# Altium PCB pcb.PcbDoc (part 1 of 2)
Units mm, origin at the board's own origin, x right, y up, seen from the top; angles counter-clockwise.
Board outline 285.25 x 94.86 mm, 2 copper layers (Component Side, Bottom Layer), stack 1.571 mm thick; 160 components, 104 nets, 876 pads, 83 vias.
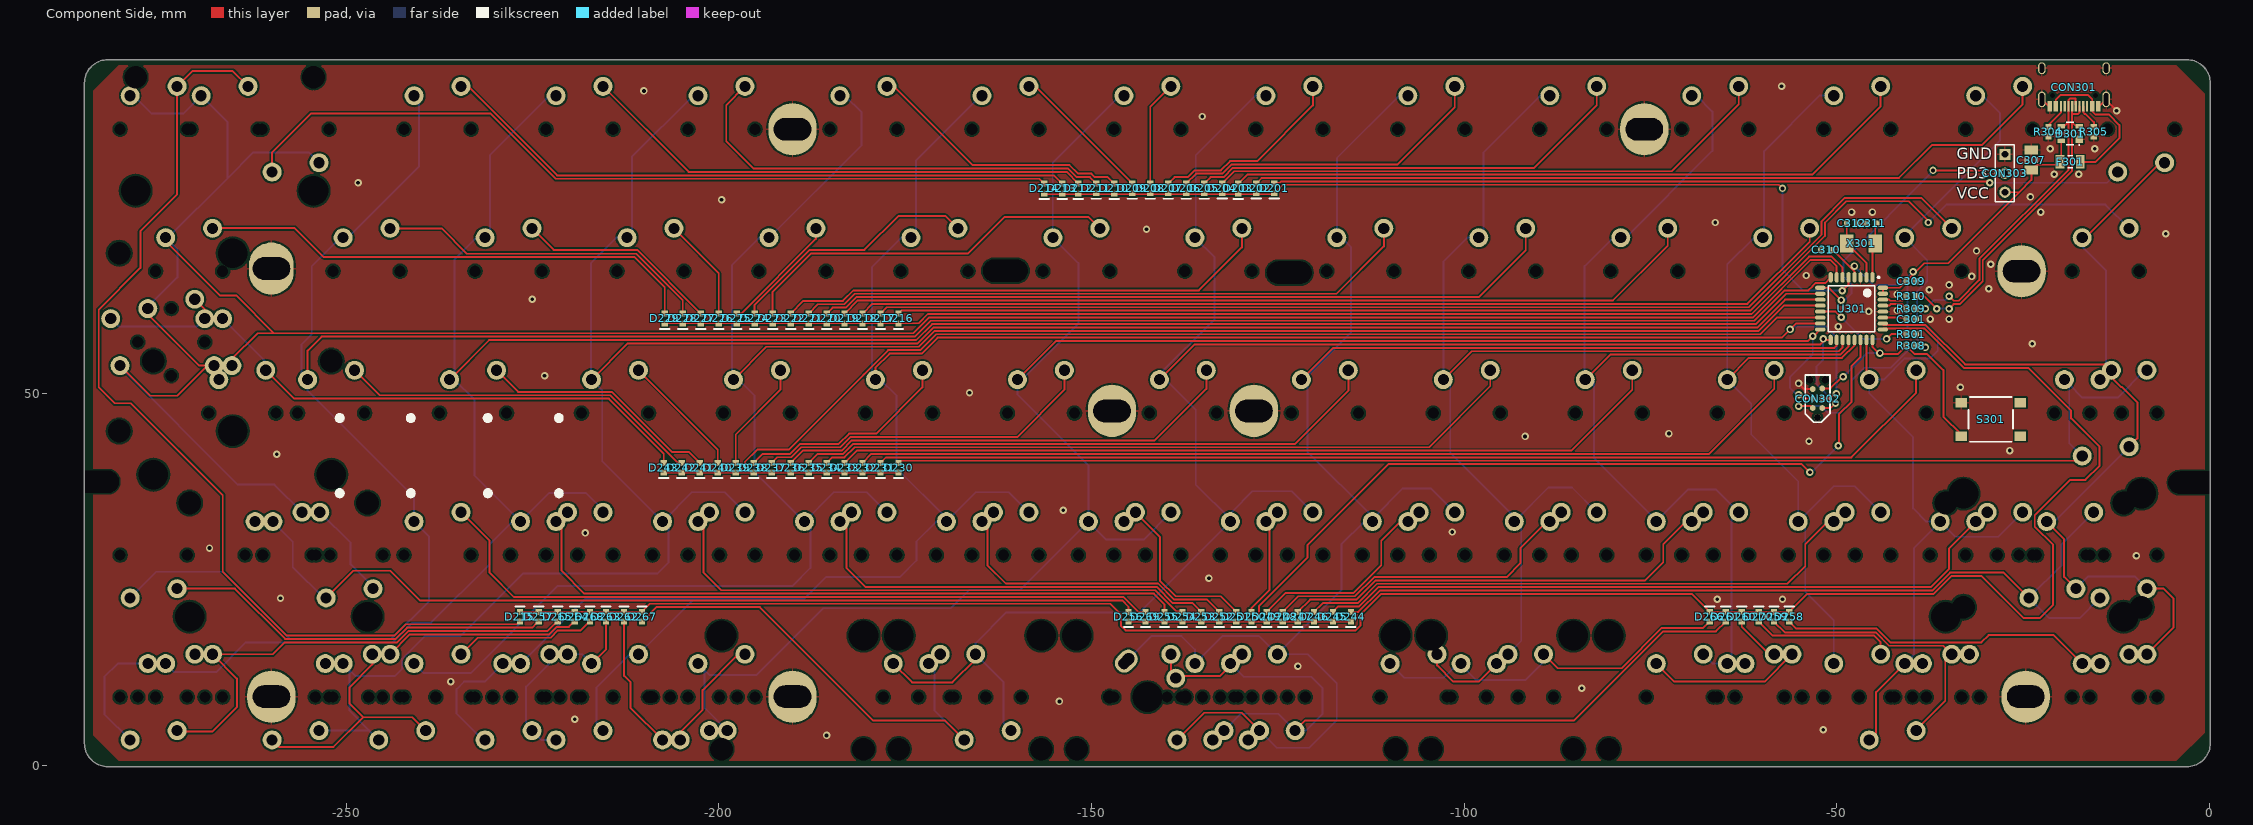
[diagram p0: Component Side view]
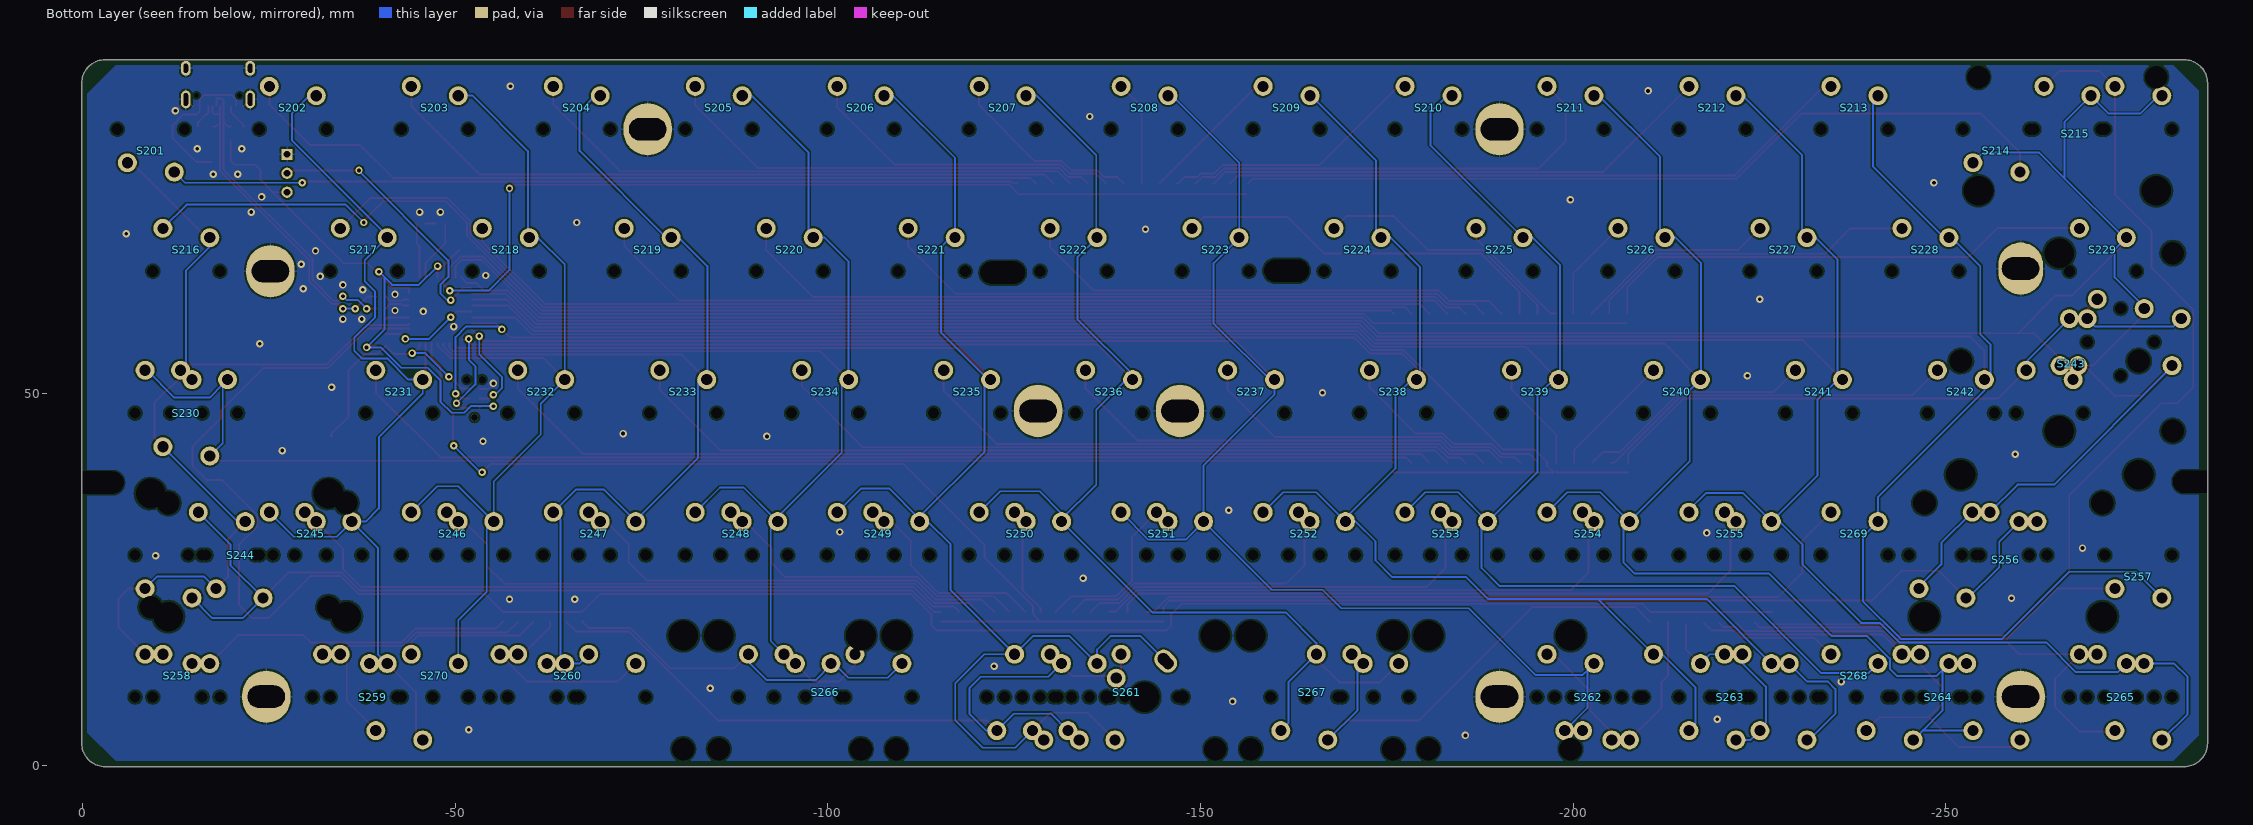
[diagram p1: Bottom Layer view, seen from below]
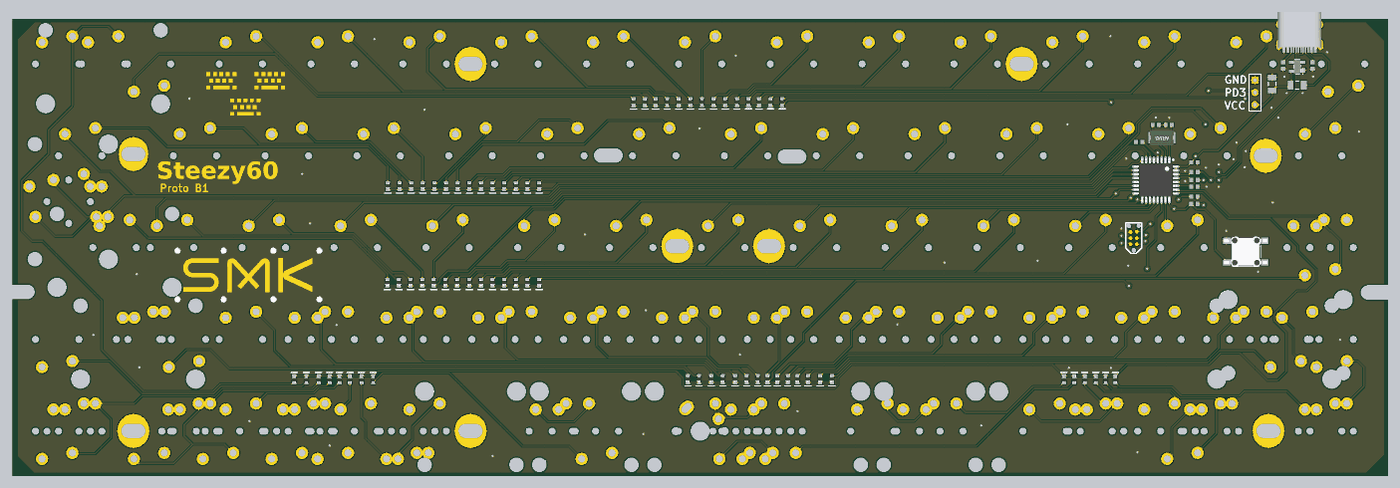
[diagram p3: 3D render of the assembled board from above, using the file's embedded part models]

## Layer stack, top to bottom
Top Solder: solder mask 0.0102, Solder Resist, Dk 3.5
Component Side: signal copper 0.0356
Dielectric 1: core 1.5, FR-4, Dk 4.2
Bottom Layer: signal copper 0.0356
Solder Side: solder mask 0.0102, Solder Resist, Dk 3.5

## Board outline
-285.127,3.01 -285.127,91.615 cw(c-282,91.615) -282,94.742 cw(c-282,94.615) -281.999,94.742 -195.49,94.742 -198.628,94.742 ccw(c-198.628,94.615) -198.629,94.742 -198.628,94.742 -3,94.742 cw(c-3,91.615) 0.127,91.615 0.127,3.01 cw(c-3,3.01) -3,-0.117 cw(c-3,0.01) -3.035,-0.112 -281.965,-0.112 cw(c-282,0.01) -282,-0.117 cw(c-282,3.01)

## Design rules (kind name [scope] priority, off if disabled: settings)
Clearance [All] p1: gap=0.2 ignorepadtopadclearanceinfootprint=FALSE except(0: Arc-Hole Track-Hole SMDPad-Hole THPad-Hole Via-Hole Fill-Hole Poly-Hole Region-Hole Text-Hole; 0.254: THPad-THPad THPad-Via THPad-Fill THPad-Poly THPad-Region THPad-Text Via-Via Via-Fill Via-Poly Via-Region Via-Text Fill-Fill Fill-Poly Fill-Region Fill-Text Poly-Poly Poly-Region Poly-Text Region-Region Region-Text Text-Text)
ComponentClearance [InComponent('No Component') And OnLayer('Component Side')] p1: gap=0.254 collisioncheckmode=3 verticalgap=0.254 showdistances=FALSE
DiffPairsRouting DiffPairsRouting_USB [InDifferentialPairClass('All Differential Pairs')] p1: maxlimit=0.254 minlimit=0.203 mostfreqgap=0.203 toplayer_minwidth=0.152 toplayer_maxwidth=0.381 toplayer_prefwidth=0.152 bottomlayer_minwidth=0.152 bottomlayer_maxwidth=0.381 bottomlayer_prefwidth=0.152 maxuncoupledlength=12.7
DiffPairsRouting [All] p2: maxlimit=0.254 minlimit=0.254 mostfreqgap=0.254 toplayer_minwidth=0.381 toplayer_maxwidth=0.381 toplayer_prefwidth=0.381 bottomlayer_minwidth=0.381 bottomlayer_maxwidth=0.381 bottomlayer_prefwidth=0.381 maxuncoupledlength=12.7
HoleSize [All] p1: absolutevalues=TRUE maxlimit=20 minlimit=0.025 maxpercent=80.000 minpercent=20.000
MatchedLengths MatchedLengths_USB_DiffPairs_1 [All] p1: tolerance=0.127 checknetsindiffpair=TRUE checkdiffpairvsdiffpair=FALSE checkxsignals=FALSE checkothers=FALSE
MatchedLengths MatchedLengths_USB_DiffPairs [All] p2: tolerance=0.127 checknetsindiffpair=TRUE checkdiffpairvsdiffpair=FALSE checkxsignals=FALSE checkothers=FALSE
PolygonConnect PolygonConnect_1 [All vs IsVia] p1: connectstyle=Direct reliefconductorwidth=0.254 reliefentries=4 polygonreliefangle="90 Angle" airgapwidth=0.254
PolygonConnect [All] p2: connectstyle=Relief reliefconductorwidth=0.254 reliefentries=4 polygonreliefangle="90 Angle" airgapwidth=0.254
RoutingVias [All] p1: holewidth=0.711 width=1.27 viastyle="Through Hole" minholewidth=0.711 minwidth=1.27 maxholewidth=0.711 maxwidth=1.27
SolderMaskExpansion [All] p1: expansion=0.102
Width [All] p1: maxlimit=0.254 minlimit=0.203 preferedwidth=0.254
27 further rules are at their usual default settings.

## Classes and differential pairs
component class Designator: C201 C202 C203 C204 C205 C206 D201 D202 D203 D204 D205 D206 D207 D208 D209 D210 D211 D212 D213 D214 D215 D216 D217 D218 D219 D220 D221 D222 D223 D224 D225 D226 D227 D228 D229 D230 D231 D232 D233 D234 D235 D236 D237 D238 D239 D240 D241 D242 D243 D244 D245 D246 D247 D248 D249 D250 D251 D252 D253 D254 D255 D256 D257 D258 D259 D260 D261 D262 D263 D264 D265 D266 D267 D268 D269 D270 S201 S202 S203 S204 S205 S206 S207 S208 S209 S210 S211 S212 S213 S214 S215 S216 S217 S218 S219 S220 S221 S222 S223 S224 S225 S226 S227 S228 S229 S230 S231 S232 S233 S234 S235 S236 S237 S238 S239 S240 S241 S242 S243 S244 S245 S246 S247 S248 S249 S250 S251 S252 S253 S254 S255 S256 S257 S258 S259 S260 S261 S262 S263 S264 S265 S266 S267 S268 S269 S270
differential pair D: +D_P -D_N
differential pair D_PRE: +D_PRE_P -D_PRE_N

## Components (designator, comment, footprint, x,y, rotation, side; value= is the part's Value field where it differs from the comment)
C301 "" C0603[1608] -40.005,59.944 r180 top value=1uF
C307 "" C1206[3216] -23.876,81.28 r270 top value=4,7uF
C309 "" C0603[1608] -40.005,65.024 r180 top value=0.1uF
C310 "" C0603[1608] -51.435,69.215 r0 top value=0.1uF
C311 "" C0603[1608] -45.324,72.771 r0 top
C312 "" C0603[1608] -48.006,72.771 r180 top
CON301 "TYPE-C-31-M-12" TYPE-C-31-M-12 -18.161,88.5 r180 top locked
CON302 "TC2030-IDC" TC2030-IDC-NL -52.578,46.736 r90 top
CON303 "Header 3" HDR1X3 -27.432,82.042 r270 top
D201 "Diode" D0603[1608] -125.476,77.492 r270 top
D202 "Diode" D0603[1608] -127.889,77.492 r270 top
D203 "Diode" D0603[1608] -130.302,77.47 r270 top
D204 "Diode" D0603[1608] -132.461,77.492 r270 top
D205 "Diode" D0603[1608] -134.874,77.485 r270 top
D206 "Diode" D0603[1608] -137.287,77.485 r270 top
D207 "Diode" D0603[1608] -139.7,77.485 r270 top
D208 "Diode" D0603[1608] -142.113,77.485 r270 top
D209 "Diode" D0603[1608] -144.526,77.485 r270 top
D210 "Diode" D0603[1608] -146.939,77.47 r270 top
D211 "Diode" D0603[1608] -149.352,77.485 r270 top
D212 "Diode" D0603[1608] -151.765,77.47 r270 top
D213 "Diode" D0603[1608] -153.924,77.47 r270 top
D214 "Diode" D0603[1608] -156.337,77.47 r270 top
D215 "Diode" D0603[1608] -226.695,20 r90 top
D216 "Diode" D0603[1608] -175.895,60.024 r270 top
D217 "Diode" D0603[1608] -178.308,60.024 r270 top
D218 "Diode" D0603[1608] -180.721,60.024 r270 top
D219 "Diode" D0603[1608] -183.134,60.024 r270 top
D220 "Diode" D0603[1608] -185.547,60.024 r270 top
D221 "Diode" D0603[1608] -187.96,60.024 r270 top
D222 "Diode" D0603[1608] -190.373,60.024 r270 top
D223 "Diode" D0603[1608] -192.786,60.024 r270 top
D224 "Diode" D0603[1608] -195.199,60.024 r270 top
D225 "Diode" D0603[1608] -197.612,60.024 r270 top
D226 "Diode" D0603[1608] -200.025,60.024 r270 top
D227 "Diode" D0603[1608] -202.438,60.024 r270 top
D228 "Diode" D0603[1608] -204.851,60.024 r270 top
D229 "Diode" D0603[1608] -207.264,60.024 r270 top
D230 "Diode" D0603[1608] -175.895,40.005 r270 top
D231 "Diode" D0603[1608] -178.308,40 r270 top
D232 "Diode" D0603[1608] -180.721,40 r270 top
D233 "Diode" D0603[1608] -183.134,40 r270 top
D234 "Diode" D0603[1608] -185.547,40 r270 top
D235 "Diode" D0603[1608] -187.96,40 r270 top
D236 "Diode" D0603[1608] -190.373,40 r270 top
D237 "Diode" D0603[1608] -192.913,40 r270 top
D238 "Diode" D0603[1608] -195.326,40 r270 top
D239 "Diode" D0603[1608] -197.739,40 r270 top
D240 "Diode" D0603[1608] -200.152,40 r270 top
D241 "Diode" D0603[1608] -202.565,40 r270 top
D242 "Diode" D0603[1608] -204.978,40.005 r270 top
D243 "Diode" D0603[1608] -207.391,40 r270 top
D244 "Diode" D0603[1608] -115.189,20 r270 top
D245 "Diode" D0603[1608] -117.602,20 r270 top
D246 "Diode" D0603[1608] -120.142,20 r270 top
D247 "Diode" D0603[1608] -122.301,20 r270 top
D248 "Diode" D0603[1608] -124.333,20 r270 top
D249 "Diode" D0603[1608] -126.492,20 r270 top
D250 "Diode" D0603[1608] -128.524,20 r270 top
D251 "Diode" D0603[1608] -130.556,20 r270 top
D252 "Diode" D0603[1608] -132.842,20 r270 top
D253 "Diode" D0603[1608] -135.255,20 r270 top
D254 "Diode" D0603[1608] -137.795,20 r270 top
D255 "Diode" D0603[1608] -140.208,20 r270 top
D256 "Diode" D0603[1608] -145.034,20 r270 top
D257 "Diode" D0603[1608] -224.155,20 r90 top
D258 "Diode" D0603[1608] -56.388,20 r90 top
D259 "Diode" D0603[1608] -58.42,20 r90 top
D260 "Diode" D0603[1608] -62.738,20 r90 top
D261 "Diode" D0603[1608] -64.897,20 r90 top
D262 "Diode" D0603[1608] -212.725,20 r90 top
D263 "Diode" D0603[1608] -215.138,20 r90 top
D264 "Diode" D0603[1608] -219.329,20 r90 top
D265 "Diode" D0603[1608] -221.615,20 r90 top
D266 "Diode" D0603[1608] -67.056,20 r90 top
D267 "Diode" D0603[1608] -210.312,20 r90 top
D268 "Diode" D0603[1608] -217.297,20 r90 top
D269 "Diode" D0603[1608] -142.748,20 r270 top
D270 "Diode" D0603[1608] -60.452,20 r90 top
D301 "PRTR5V0U2X" SOT190P237X120-4N -18.669,84.836 r180 top
F301 "Fuse Thermal" C1206[3216] -18.669,81.026 r0 top
R301 "Res1" R0603[1608] -40.005,57.912 r0 top value=10K
R304 "Res1" R0603[1608] -21.59,85.09 r270 top value=5k1
R305 "Res1" R0603[1608] -15.494,85.09 r270 top value=5k1
R308 "Res1" R0603[1608] -40.02,56.388 r180 top value=10K
R309 "Res1" R0603[1608] -39.99,61.341 r0 top value=22
R310 "Res1" R0603[1608] -39.99,62.992 r0 top value=22
S201 "MX" SMK-SWITCH -9.15,85.415 r0 bottom locked
S202 "MX" SMK-SWITCH -28.2,85.415 r180 bottom locked
S203 "MX" SMK-SWITCH -47.25,85.415 r180 bottom locked
S204 "MX" SMK-SWITCH -66.3,85.415 r180 bottom locked
S205 "MX" SMK-SWITCH -85.35,85.415 r180 bottom locked
S206 "MX" SMK-SWITCH -104.4,85.415 r180 bottom locked
S207 "MX" SMK-SWITCH -123.45,85.415 r180 bottom locked
S208 "MX" SMK-SWITCH -142.5,85.415 r180 bottom locked
S209 "MX" SMK-SWITCH -161.55,85.415 r180 bottom locked
S210 "MX" SMK-SWITCH -180.6,85.415 r180 bottom locked
S211 "MX" SMK-SWITCH -199.65,85.415 r180 bottom locked
S212 "MX" SMK-SWITCH -218.7,85.415 r180 bottom locked
S213 "MX" SMK-SWITCH -237.75,85.415 r180 bottom locked
S214 "MX" "SMK-switch - 1.25U" -256.8,85.415 r0 bottom
S215 "MX" "SMK-switch - backspace" -266.325,85.415 r180 bottom
S216 "MX" "SMK-switch - 1.5U" -13.912,66.365 r180 bottom locked
S217 "MX" SMK-SWITCH -37.725,66.365 r180 bottom locked
S218 "MX" SMK-SWITCH -56.775,66.365 r180 bottom locked
S219 "MX" SMK-SWITCH -75.825,66.365 r180 bottom locked
S220 "MX" SMK-SWITCH -94.875,66.365 r180 bottom locked
S221 "MX" SMK-SWITCH -113.925,66.365 r180 bottom locked
S222 "MX" SMK-SWITCH -132.975,66.365 r180 bottom locked
S223 "MX" SMK-SWITCH -152.025,66.365 r180 bottom locked
S224 "MX" SMK-SWITCH -171.075,66.365 r180 bottom locked
S225 "MX" SMK-SWITCH -190.125,66.365 r180 bottom locked
S226 "MX" SMK-SWITCH -209.175,66.365 r180 bottom locked
S227 "MX" SMK-SWITCH -228.225,66.365 r180 bottom locked
S228 "MX" SMK-SWITCH -247.275,66.365 r180 bottom locked
S229 "MX" "SMK-switch - 1.5U" -271.087,66.365 r180 bottom locked
S230 "MX" "SMK-SWITCH - CAPS" -16.294,47.315 r180 bottom locked
S231 "MX" SMK-SWITCH -42.487,47.315 r180 bottom locked
S232 "MX" SMK-SWITCH -61.537,47.315 r180 bottom locked
S233 "MX" SMK-SWITCH -80.587,47.315 r180 bottom locked
S234 "MX" SMK-SWITCH -99.637,47.315 r180 bottom locked
S235 "MX" SMK-SWITCH -118.687,47.315 r180 bottom locked
S236 "MX" SMK-SWITCH -137.737,47.315 r180 bottom locked
S237 "MX" SMK-SWITCH -156.787,47.315 r180 bottom locked
S238 "MX" SMK-SWITCH -175.837,47.315 r180 bottom locked
S239 "MX" SMK-SWITCH -194.887,47.315 r180 bottom locked
S240 "MX" SMK-SWITCH -213.937,47.315 r180 bottom locked
S241 "MX" SMK-SWITCH -232.987,47.315 r180 bottom locked
S242 "MX" SMK-SWITCH -252.037,47.315 r180 bottom locked
S243 "MX" "SMK-SWITCH - ENTER" -263.95,47.315 r180 bottom locked
S244 "MX" "SMK-SWITCH - LEFT SHIFT" -21.056,28.265 r180 bottom
S245 "MX" "SMK-SWITCH - OFFSET" -32.962,28.265 r180 bottom locked
S246 "MX" "SMK-SWITCH - OFFSET" -52.012,28.265 r180 bottom locked
S247 "MX" "SMK-SWITCH - OFFSET" -71.062,28.265 r180 bottom locked
S248 "MX" "SMK-SWITCH - OFFSET" -90.112,28.265 r180 bottom locked
S249 "MX" "SMK-SWITCH - OFFSET" -109.162,28.265 r180 bottom locked
S250 "MX" "SMK-SWITCH - OFFSET" -128.212,28.265 r180 bottom locked
S251 "MX" "SMK-SWITCH - OFFSET" -147.262,28.265 r180 bottom locked
S252 "MX" "SMK-SWITCH - OFFSET" -166.312,28.265 r180 bottom locked
S253 "MX" "SMK-SWITCH - OFFSET" -185.362,28.265 r180 bottom locked
S254 "MX" "SMK-SWITCH - OFFSET" -204.412,28.265 r180 bottom locked
S255 "MX" "SMK-SWITCH - OFFSET" -223.462,28.265 r180 bottom locked
S256 "MX" "SMK-SWITCH - RIGHT SHIFT" -259.08,28.265 r180 bottom locked
S257 "MX" "SMK-switch - switched polarity" -275.85,28.265 r0 bottom locked
S258 "MX" "SMK-SWITCH - L_CTRL" -13.912,9.215 r180 bottom
S259 "MX" "SMK-SWITCH - L_WIN" -37.724,9.215 r180 bottom
S260 "MX" "SMK-switch - L_alt" -61.537,9.215 r180 bottom
S261 "MX" "SMK-SWITCH - SPACE" -142.499,9.215 r180 bottom
S262 "MX" "SMK-SWITCH - R PN" -202.031,9.215 r180 bottom
S263 "MX" "SMK-SWITCH - R_ALT" -223.462,9.215 r180 bottom
S264 "MX" "SMK-SWITCH - R_WIN" -247.274,9.215 r180 bottom
S265 "MX" "SMK-SWITCH - R_CTRL" -271.087,9.215 r180 bottom
S266 "MX" "SMK-SWITCH - L SPLIT SPACE" -102.018,9.215 r0 bottom
S267 "MX" "SMK-switch - R split space" -163.931,9.215 r0 bottom
S268 "MX" SMK-switch -237.75,9.215 r180 bottom
S269 "MX" SMK-switch -237.75,28.265 r180 bottom
S270 "MX" SMK-switch -47.25,9.215 r180 bottom
S301 "SW-PB" 430152050826 -29.337,46.482 r0 top
U301 "ATMEGA32U2" ATMEGA32U2-LQFP -48.006,61.341 r270 top locked
X301 "XTAL" "CTS 445-series crystal" -46.736,70.104 r180 top

## Footprints (in the part's own frame and the unit in brackets; to place one, negate y for a bottom-side part, rotate by r counter-clockwise, add the part's x,y. Pads: shape width x height; smd on the part's side, far side on the other; paste and mask are expansions set on the pad)
430152050826 [mm] "Wurth Electronics Inc."
  rect 1.55x1.3 smd: 1(-3.975,2.25) 2(-3.975,-2.25) ""(3.975,-2.25) ""(3.975,2.25)
  silkscreen extent -3,-3 3,3, body extent -4.5,-3.1 4.5,3.1, height 5
ATMEGA32U2-LQFP [mm]
  oval 1.4x0.55 smd: 1(-4.2,2.8) 2(-4.2,2) 3(-4.2,1.2) 4(-4.2,0.4) 5(-4.2,-0.4) 6(-4.2,-1.2) 7(-4.2,-2) 8(-4.2,-2.8) 17(4.2,-2.8) 18(4.2,-2) 19(4.2,-1.2) 20(4.2,-0.4) 21(4.2,0.4) 22(4.2,1.2) 23(4.2,2) 24(4.2,2.8)
  oval 0.55x1.4 smd: 9(-2.8,-4.2) 10(-2,-4.2) 11(-1.2,-4.2) 12(-0.4,-4.2) 13(0.4,-4.2) 14(1.2,-4.2) 15(2,-4.2) 16(2.8,-4.2) 25(2.8,4.2) 26(2,4.2) 27(1.2,4.2) 28(0.4,4.2) 29(-0.4,4.2) 30(-1.2,4.2) 31(-2,4.2) 32(-2.8,4.2)
  silkscreen extent -4.32,-3.1 3.1,3.75, body extent -4.5,-4.5 4.5,4.5, height 1.6
C0603[1608] [mm] "Chip Resistor, 2-Leads, Body 1,57x0,80mm, IPC Medium Density"
  rect 0.8x0.85 smd: 1(-0.65,0) 2(0.65,0)
  body extent -0.83,-0.43 0.82,0.43, height 0.5
C1206[3216] [mm]
  rect 1.2x1.8 smd: 1(-1.35,0) 2(1.35,0)
  silkscreen extent -0.35,-0.8 0.35,0.8, body extent -1.6,-0.9 1.6,0.9, height 1.2
"CTS 445-series crystal" [mm]
  rect 1.8x2.4 smd: 1(-1.9,0) 2(1.9,0)
  body extent -2.5,-1.6 2.5,1.6, height 1.3
D0603[1608] [mm] "Chip Resistor, 2-Leads, Body 1,57x0,80mm, IPC Medium Density"
  rect 0.8x0.85 smd: 1(-0.65,0) 2(0.65,0)
  silkscreen extent 1.4,-0.63 1.4,0.64, body extent -0.8,-0.45 0.8,0.45, height 0.59
HDR1X3 [mm] "Connector; Header; 3 Position"
  rect 1.5x1.5 hole 0.9: 1(0,0)
  round 1.5 hole 0.9: 2(2.54,0) 3(5.08,0)
  silkscreen extent -1.27,-1.27 6.35,1.27
R0603[1608] [mm] "Chip Resistor, 2-Leads, Body 1,57x0,80mm, IPC Medium Density"
  rect 0.8x0.85 smd: 1(-0.65,0) 2(0.65,0)
  body extent -0.83,-0.43 0.82,0.43, height 0.5
SMK-SWITCH [mm]
  round 2.54 hole 1.499: 1(-3.15,5.75) 2(3.15,4.5)
  round 1 hole 1.5 unplated: ""(-4.5,0) ""(4.5,0)
  round 1 on Mech14: ""(0,0)
SMK-switch [mm]
  round 2.54 hole 1.499: 1(-3.15,5.75) 2(3.15,4.5)
  round 1 hole 1.5 unplated: ""(-4.5,0) ""(4.5,0)
  round 1 on Mech14: ""(0,0)
"SMK-switch - 1.5U" [mm]
  round 2.54 hole 1.499: 1(-3.15,5.75) 2(3.15,4.5)
  round 1 hole 1.5 unplated: ""(-4.5,0) ""(4.5,0)
  round 1 on Mech14: ""(0,0)
"SMK-switch - 1.25U" [mm]
  round 2.54 hole 1.499: 1(-3.15,5.75) 2(3.15,4.5)
  round 1 hole 1.5 unplated: ""(-4.5,0) ""(4.5,0)
  round 1 on Mech14: ""(0,0)
"SMK-switch - backspace" [mm]
  round 2.54 hole 1.499: 1(-3.15,5.75) 1(6.375,5.75) 2(3.15,4.5) 2(12.675,4.5)
  round 1.524 hole 3.988 unplated: ""(-11.938,-8.255) ""(11.938,-8.255)
  round 1.524 hole 3.048 unplated: ""(-11.938,6.985) ""(11.938,6.985)
  round 1 hole 1.5 unplated: ""(-4.5,0) ""(4.5,0) ""(5.025,0) ""(14.025,0)
  round 1 on Mech14: ""(0,0) ""(9.525,0)
"SMK-SWITCH - CAPS" [mm]
  round 2.54 hole 1.499: 1(-7.912,5.75) 1(0.769,-5.75) 1(3.15,4.5) 2(-5.531,-4.5) 2(-3.15,5.75) 2(-1.613,4.5)
  round 1 hole 1.5 unplated: ""(-9.263,0) ""(-4.5,0) ""(-0.262,0) ""(4.5,0)
  round 1 on Mech14: ""(-4.763,0) ""(-2.381,0) ""(0,0)
"SMK-SWITCH - ENTER" [mm]
  round 2.54 hole 1.499: 1(-3.15,5.75) 1(2.649,12.68) 1(5.03,12.68) 1(6.38,15.28) 1(17.661,12.68) 2(1.399,6.38) 2(3.15,4.5) 2(3.78,6.38) 2(12.68,14.03) 2(16.411,6.38)
  round 1.524 hole 3.988 unplated: ""(-11.938,-8.255) ""(1.275,-2.408) ""(1.275,21.468) ""(11.938,-8.255)
  round 1.524 hole 3.048 unplated: ""(-11.938,6.985) ""(11.938,6.985) ""(16.515,-2.408) ""(16.515,21.468)
  round 1 hole 1.5 unplated: ""(-4.5,0) ""(4.5,0) ""(5.03,9.53) ""(9.53,5.03) ""(9.53,14.03) ""(14.03,9.53)
  round 1 on Mech14: ""(0,0) ""(7.149,9.53) ""(9.53,9.53) ""(11.911,9.53)
"SMK-SWITCH - L SPLIT SPACE" [mm]
  round 2.54 hole 1.499: 1(-7.912,-4.5) 1(1.613,-4.5) 1(12.675,-5.75) 2(-1.613,-5.75) 2(6.375,-4.5) 2(7.912,-5.75)
  round 1 hole 1.5 unplated: ""(-9.263,0) ""(-0.262,0) ""(0.262,0) ""(5.025,0) ""(9.263,0) ""(14.025,0)
  round 1.524 hole 3.988 unplated: ""(-7.175,-8.255) ""(-2.413,-8.255)
  round 1.524 hole 3.048 unplated: ""(-7.175,6.985) ""(-2.413,6.985)
  round 1 on Mech14: ""(-4.763,0) ""(4.763,0) ""(9.525,0)
"SMK-switch - L_alt" [mm]
  round 2.54 hole 1.499: 1(-5.531,5.75) 1(-3.15,5.75) 1(12.675,4.5) 2(0.769,4.5) 2(3.15,4.5) 2(6.375,5.75)
  round 1 hole 1.5 unplated: ""(-6.881,0) ""(-4.5,0) ""(2.119,0) ""(4.5,0) ""(5.025,0) ""(14.025,0)
  round 1 on Mech14: ""(-2.381,0) ""(0,0) ""(9.525,0)
"SMK-SWITCH - L_CTRL" [mm]
  round 2.54 hole 1.499: 1(0.769,4.5) 1(3.15,4.5) 2(-5.531,5.75) 2(-3.15,5.75)
  round 1 hole 1.5 unplated: ""(-6.881,0) ""(-4.5,0) ""(2.119,0) ""(4.5,0)
  round 1 on Mech14: ""(-2.381,0) ""(0,0)
"SMK-SWITCH - L_WIN" [mm]
  round 2.54 hole 1.499: 1(-5.531,5.75) 1(-3.15,5.75) 1(1.613,-4.5) 2(0.769,4.5) 2(3.15,4.5) 2(7.912,-5.75)
  round 1 hole 1.5 unplated: ""(-6.881,0) ""(-4.5,0) ""(0.262,0) ""(2.119,0) ""(4.5,0) ""(9.263,0)
  round 1 on Mech14: ""(-2.381,0) ""(0,0) ""(4.763,0)
"SMK-SWITCH - LEFT SHIFT" [mm]
  round 2.54 hole 1.499: 1(-6.375,-5.75) 1(-5.531,5.75) 1(3.15,-5.75) 2(-12.675,-4.5) 2(-3.15,-4.5) 2(0.769,4.5)
  round 1 hole 1.5 unplated: ""(-14.025,0) ""(-6.881,0) ""(-5.025,0) ""(-4.5,0) ""(2.119,0) ""(4.5,0)
  round 1.524 hole 3.048 unplated: ""(-11.938,-6.985) ""(-9.557,6.985) ""(11.938,-6.985) ""(14.319,6.985)
  round 1.524 hole 3.988 unplated: ""(-11.938,8.255) ""(-9.557,-8.255) ""(11.938,8.255) ""(14.319,-8.255)
  round 1 on Mech14: ""(-9.525,0) ""(-2.381,0) ""(0,0)
"SMK-SWITCH - OFFSET" [mm]
  round 2.54 hole 1.499: 1(-3.15,5.75) 1(-1.613,4.5) 2(-7.912,5.75) 2(3.15,4.5)
  round 1 hole 1.5 unplated: ""(-9.263,0) ""(-4.5,0) ""(-0.262,0) ""(4.5,0)
  round 1 on Mech14: ""(-4.763,0) ""(0,0)
"SMK-SWITCH - R PN" [mm]
  round 2.54 hole 1.499: 1(-5.531,5.75) 1(3.15,-5.75) 1(5.531,-5.75) 2(-3.15,-4.5) 2(-0.769,-4.5) 2(0.769,4.5)
  round 1 hole 1.5 unplated: ""(-6.881,0) ""(-4.5,0) ""(-2.119,0) ""(2.119,0) ""(4.5,0) ""(6.881,0)
  round 1 on Mech14: ""(-2.381,0) ""(0,0) ""(2.381,0)
"SMK-switch - R split space" [mm]
  round 2.54 hole 1.499: 1(-7.912,-4.5) 1(-6.375,-5.75) 1(-3.15,5.75) 2(-12.675,-4.5) 2(-1.613,-5.75) 2(3.15,4.5)
  round 1 hole 1.5 unplated: ""(-14.025,0) ""(-9.263,0) ""(-5.025,0) ""(-4.5,0) ""(-0.262,0) ""(4.5,0)
  round 1.524 hole 3.988 unplated: ""(-11.938,-8.255) ""(7.175,-8.255) ""(11.938,-8.255)
  round 1.524 hole 3.048 unplated: ""(-11.938,6.985) ""(7.175,6.985) ""(11.938,6.985)
  round 1 on Mech14: ""(-9.525,0) ""(-4.763,0) ""(0,0) ""(0,0)
"SMK-SWITCH - R_ALT" [mm]
  round 2.54 hole 1.499: 1(-6.375,4.5) 1(-3.15,5.75) 1(-1.613,-5.75) 1(-0.769,5.75) 1(1.613,-4.5) 2(-12.675,5.75) 2(-7.912,-4.5) 2(3.15,4.5) 2(5.531,4.5) 2(7.912,-5.75)
  round 1 hole 1.5 unplated: ""(-14.025,0) ""(-9.263,0) ""(-5.025,0) ""(-4.5,0) ""(-2.119,0) ""(-0.262,0) ""(0.262,0) ""(4.5,0) ""(6.881,0) ""(9.263,0)
  round 1 on Mech14: ""(-9.525,0) ""(-4.763,0) ""(0,0) ""(2.381,0) ""(4.763,0)
"SMK-SWITCH - R_CTRL" [mm]
  round 2.54 hole 1.499: 1(-3.15,5.75) 1(-0.769,5.75) 1(1.613,-4.5) 2(3.15,4.5) 2(5.531,4.5) 2(7.912,-5.75)
  round 1 hole 1.5 unplated: ""(-4.5,0) ""(-2.119,0) ""(0.262,0) ""(4.5,0) ""(6.881,0) ""(9.263,0)
  round 1 on Mech14: ""(0,0) ""(2.381,0) ""(4.763,0)
"SMK-SWITCH - R_WIN" [mm]
  round 2.54 hole 1.499: 1(-7.938,-4.5) 1(-3.15,5.75) 1(-0.769,5.75) 1(12.675,-5.75) 2(-1.638,-5.75) 2(3.15,4.5) 2(5.531,4.5) 2(6.375,-4.5)
  round 1 hole 1.5 unplated: ""(-9.288,0) ""(-4.5,0) ""(-2.119,0) ""(-0.288,0) ""(4.5,0) ""(5.025,0) ""(6.881,0)
  round 1 on Mech14: ""(-4.788,0) ""(-4.763,0) ""(0,0) ""(2.381,0) ""(9.525,0)
"SMK-SWITCH - RIGHT SHIFT" [mm]
  round 2.54 hole 1.499: 1(-6.375,-5.75) 1(0.769,4.5) 1(3.15,4.5) 2(-12.675,-4.5) 2(-5.531,5.75) 2(-3.15,5.75)
  round 1 hole 1.5 unplated: ""(-14.025,0) ""(-6.881,0) ""(-5.025,0) ""(-4.5,0) ""(2.119,0) ""(4.5,0)
  round 1.524 hole 3.988 unplated: ""(-11.938,-8.255) ""(11.938,-8.255)
  round 1.524 hole 3.048 unplated: ""(-11.938,6.985) ""(11.938,6.985)
  round 1 on Mech14: ""(-9.525,0) ""(-2.381,0) ""(0,0)
"SMK-SWITCH - SPACE" [mm]
  round 2.54 hole 1.499: 1(-19.826,-4.5) 1(-12.675,5.75) 1(-11.145,4.5) 1(-10.286,-4.5) 1(-8.764,-5.75) 1(-3.81,2.54) 1(-3.15,5.75) 2(-17.445,5.75) 2(-15.064,-4.5) 2(-13.526,-5.75) 2(-6.375,4.5) 2(-3.986,-5.75)
  oval 3.3x2.54 hole 1.499 slot 2.4 at 135 deg rot 135: 2(2.825,4.825)
  round 1.524 hole 3.048 unplated: ""(-61.91,-6.985) ""(-57.15,-6.985) ""(38.09,-6.985) ""(57.15,-6.985)
  round 1.524 hole 3.988 unplated: ""(-61.91,8.255) ""(-57.15,8.255) ""(38.09,8.255) ""(57.15,8.255)
  round 1 hole 1.5 unplated: ""(-21.176,0) ""(-18.795,0) ""(-16.414,0) ""(-14.025,0) ""(-12.176,0) ""(-11.636,0) ""(-9.795,0) ""(-7.414,0) ""(-4.5,0) ""(-2.636,0) ""(4.5,0)
  round 1 on Mech14: ""(-16.676,0) ""(-14.295,0) ""(-11.914,0) ""(-9.525,0) ""(-7.136,0) ""(0,0)
  round 1 hole 1.702 unplated: ""(-5.08,0) ""(5.08,0)
  round 1 hole 3.988 unplated: ""(0,0)
"SMK-switch - switched polarity" [mm]
  round 2.54 hole 1.499: 1(3.15,4.5) 2(-3.15,5.75)
  round 1 hole 1.5 unplated: ""(-4.5,0) ""(4.5,0)
  round 1 on Mech14: ""(0,0)
SOT190P237X120-4N [mm] "SOT143, 4-Leads, Body 3,00x2,37mm, Pitch 1,90mm, IPC Medium Density"
  rect 1x1 smd: 1(-1.2,0.75)
  rect 1x0.6 smd: 2(-1.2,-0.95) 3(1.2,-0.95) 4(1.2,0.95)
  silkscreen extent -1.25,-1.5 0.7,1.6, body extent -1.25,-1.5 1.24,1.5, height 1.09
TC2030-IDC-NL [mm] "Tag-Connect 6-Pin with No Legs (PN# TC2030-IDC-NL)"
  round 0.9 hole 0.995 unplated: 0(0,0) 0(5.08,-1.016) 0(5.08,1.016)
  round 0.79 smd paste-0.39: 1(1.27,-0.635) 2(1.27,0.635) 3(2.54,-0.635) 4(2.54,0.635) 5(3.89,-0.635) 6(3.81,0.635)
  silkscreen extent -0.64,-1.65 5.71,1.65
TYPE-C-31-M-12 [mm]
  rect 0.6x1.45 smd: A1B12(-3.25,0) A4B9(-2.45,0) B1A12(3.25,0) B4A9(2.45,0)
  rect 0.3x1.45 smd: A5(-1.25,0) A6(-0.25,0) A7(0.25,0) A8(1.25,0) B5(1.75,0) B6(0.75,0) B7(-0.75,0) B8(-1.75,0)
  oval 1x2.1 / inner oval 1x2.1 / far side oval 1.3x2.4 hole 0.6 slot 1.7 at 90 deg: S1(-4.32,-0.915) S1(4.32,-0.915)
  oval 1x1.6 / inner oval 1x1.6 / far side oval 1.3x2 hole 0.6 slot 1.2 at 90 deg: S1(-4.32,-5.095) S1(4.32,-5.095)
  round 0 hole 0.65 unplated: ""(-2.89,-1.445) ""(2.89,-1.445)
  body extent -4.47,-7.72 4.47,0.18, height 3.21

## Part data
C301 C307 C309 C310 C311 C312: library part Cap, "Capacitor", MFG=KEMET, MFGPN=C0603C104M5RACTU, Version="0603 imperial"
CON302: library part "Header 3X2", "Header, 3-Pin, Dual row"
CON303: "Header, 3-Pin", LatestRevisionDate=17-Jul-2002, LatestRevisionNote="Re-released for DXP Platform.", Publisher="Altium Limited"
D201 D202 D203 D204 D205 D206 D207 D208 D209 D210 D211 D212 D213 D214 D215 D216 D217 D218 D219 D220 D221 D222 D223 D224 D225 D226 D227 D228 D229 D230 D231 D232 D233 D234 D235 D236 D237 D238 D239 D240 D241 D242 D243 D244 D245 D246 D247 D248 D249 D250 D251 D252 D253 D254 D255 D256 D257 D258 D259 D260 D261 D262 D263 D264 D265 D266 D267 D268 D269 D270: "Default Diode", MFG="Bourns Inc.", MFGPN=CD0603-B0340R, Version="0603 imperial"
F301: "Thermal Fuse", MFG="Bel Fuse Inc.", MFGPN=0ZCJ0050FF2G
R301 R304 R305 R308 R309 R310: "Resistor", MFG="Panasonic Electronic Components", MFGPN=ERJ-3EKF5101V, Version="0603 imperial"
S201 S202 S203 S204 S205 S206 S207 S208 S209 S210 S211 S212 S213 S214 S215 S217 S218 S219 S220 S221 S222 S223 S224 S225 S226 S227 S228 S229 S230 S231 S232 S233 S234 S235 S236 S237 S238 S239 S240 S241 S242 S243 S244 S245 S246 S247 S248 S249 S250 S251 S252 S253 S254 S255 S256 S257 S258 S259 S260 S261 S262 S263 S264 S265 S266 S267 S268 S269 S270: library part SW-PB, "Switch"
S216: library part SW-PB, "TAB"
S301: "Switch", MFG=C&K, MFGPN="PTS645SM43SMTR92 LFS"
X301: "Crystal Oscillator", LatestRevisionDate=17-Jul-2002, LatestRevisionNote="Re-released for DXP Platform.", PackageDescription="Crystal, Thru-Hole; 2 Leads; Body 3.1 x 8.2 mm (Dia.xH)", PackageReference=R38, Published=8-Jun-2000, Publisher="Altium Limited"
CON301: MFG="Korean Hroparts Elec", MFGPN=TYPE-C-31-M-12
D301: MFG="Nexperia USA Inc.", MFGPN=PRTR5V0U2X,215
U301: MFG="Microchip Technology", MFGPN=ATMEGA32U2-AUR

## Free pads (board coordinates)
  oval 6.5x7 hole 3 slot 5 at 0 deg: "5 degree"(-190.119,85.415) "5 degree"(-75.819,85.415) CHECK(-147.25,47.615) CHECK(-25.2,66.365) POKER(-260.05,9.271) POKER(-190.119,9.271) TADA(-128.2,47.615) TADA(-24.638,9.271)
  round 1.524 hole 3 slot 6 at 0 deg unplated: CHECK(-161.55,66.421) CHECK(-123.45,66.167)
  round 1 hole 3 slot 7 at 0 deg unplated: POKER(-284,38.115)
  oval 6x7 hole 3 slot 5 at 0 deg: POKER(-260.05,66.715)
  round 0 hole 3 slot 7 at 0 deg unplated: POKER(-2,37.988)
  round 0 hole 1.5 slot 2.05 at 0 deg unplated: ""(-209.169,9.215)

## Via types
v1: diameter 1, hole 0.5, Component Side to Bottom Layer, tented both sides, 83 vias

## Nets (pads, with @x,y where several pads share a name; then routed paths per layer and width w, separated by ;. In a path a pad name is that pad's centre, name@x,y a point inside that pad or via, vN(x,y) a via of type N, cw(c..) or ccw(c..) an arc to the next point about the centre after c; other vN are vias at no path point)
col0: S201.2 S216.2 S230.2 S244.2 S258.2 U301.26 | length 132.2
  Component Side w0.254: U301.26@-43.806,59.341 -43.806,59.143 -38.061,59.143 -32.766,53.848 -13.927,53.848 S230.2@-13.144,53.065 -13.144,52.133 -11.811,50.8 -11.684,50.8 -9.652,48.768 -9.652,43.926 S230.2@-10.763,42.815 ; S244.2@-20.812,32.765 S244.2@-21.825,32.765 -19.479,30.419 -19.479,25.337 S244.2@-17.906,23.765 S244.2@-17.559,24.112 ; S216.2@-17.062,70.865 -16.638,70.865 -6.588,80.915 S201.2@-6,80.915 S201.2@-6,80.734 ; S258.2@-8.381,14.965 -4.826,18.52 -4.826,22.479 -6.112,23.765 S244.2@-8.381,23.765
  Bottom Layer w0.254: S244.2@-21.825,32.765 -20.812,32.765 S230.2@-10.763,42.815 ; S244.2@-17.906,23.765 -16.271,25.4 -10.016,25.4 S244.2@-8.381,23.765 ; S216.2@-17.062,70.865 -17.062,69.64 -13.843,66.421 -13.843,53.764 S230.2@-13.144,53.065 ; S216.2@-16.412,70.865 S216.2@-16.003,70.865
col1: S202.2 S217.2 S231.2 S245.2 S259.2 U301.23 | length 133.5
  Component Side w0.254: U301.23@-46.006,56.76 -46.006,52.184 S231.2@-45.637,51.815 S231.2@-45.371,52.081 ; S259.2@-45.637,3.465 -44.704,4.398 -44.704,9.885 S259.2@-40.874,13.715 ; S259.2@-40.443,14.005 S259.2@-38.092,14.005
  Bottom Layer w0.254: S259.2@-40.874,13.715 -39.624,14.965 -39.624,29.253 S245.2@-36.112,32.765 ; S217.2@-40.875,70.865 S217.2@-40.225,70.215 ; S202.2@-30.7,90.205 -28.067,87.572 -28.067,83.947 -40.225,71.789 S217.2@-40.225,70.215 ; S245.2@-25.05,34.015 -28.331,30.734 -34.081,30.734 S245.2@-36.112,32.765 ; S217.2@-40.225,70.215 -37.846,67.836 -37.846,65.024 -39.243,63.627 -39.243,60.198 -36.449,57.404 -36.449,55.678 -37.465,54.662 -40.842,54.662 -43.689,51.815 S231.2@-45.637,51.815 -45.637,49.955 -39.751,44.069 -39.751,34.544 -37.972,32.765 S245.2@-36.112,32.765
col2: S203.2 S218.2 S232.2 S246.2 S270.2 U301.21 | length 123.6
  Component Side w0.254: S232.2@-64.687,51.815 -61.784,54.718 -49.307,54.718 -47.606,56.419 U301.21@-47.606,56.76
  Bottom Layer w0.254: S270.2@-50.4,13.715 -50.4,19.539 -54.229,23.368 -54.229,31.832 S246.2@-55.162,32.765 ; S203.2@-50.4,89.915 -52.325,89.915 -59.752,82.488 -59.752,71.038 S218.2@-59.925,70.865 -61.088,70.865 -64.687,67.266 S232.2@-64.687,51.815 -61.468,48.596 -61.468,44.45 -55.162,38.144 S246.2@-55.162,32.765 ; S246.2@-44.1,34.015 -47.593,37.508 -50.419,37.508 S246.2@-55.162,32.765
col3: S204.2 S219.2 S233.2 S247.2 S260.2 U301.20 | length 147.8
  Component Side w0.254: S233.2@-83.737,51.815 -80.38,55.172 -49.495,55.172 -48.406,56.261 U301.20@-48.406,56.76
  Bottom Layer w0.254: S247.2@-74.212,32.765 S247.2@-73.922,33.055 ; S204.2@-68.8,89.915 -66.675,87.79 -66.675,82.515 -78.325,70.865 S219.2@-78.975,70.865 -80.011,70.865 -83.82,67.056 -83.82,52.838 -82.55,51.568 -82.55,41.275 -74.33,33.055 S247.2@-73.922,33.055 ; S260.2@-68.707,14.17 S260.2@-67.912,14.965 -66.662,13.715 S260.2@-64.687,13.715 -64.135,14.267 -64.135,33.03 S247.2@-63.15,34.015 -66.219,37.084 -69.893,37.084 S247.2@-73.922,33.055
col4: S205.2 S220.2 S234.2 S248.2 S266.2 U301.19 | length 170.6
  Component Side w0.254: S266.2@-103.631,14.965 -103.631,13.461 -101.473,11.303 -98.055,11.303 S266.2@-95.643,13.715 ; S234.2@-102.787,51.815 -98.977,55.626 -49.714,55.626 -49.206,56.134 U301.19@-49.206,56.76
  Bottom Layer w0.254: S266.2@-94.106,14.965 -92.329,16.742 -92.329,31.832 S248.2@-93.262,32.765 S248.2@-92.937,33.09 ; S248.2@-92.612,32.765 S248.2@-92.937,33.09 ; S205.2@-87.85,89.915 S205.2@-88.5,89.915 -89.79,89.915 -97.375,82.33 -97.375,70.865 S220.2@-98.025,70.865 -99.569,70.865 -102.743,67.691 -102.743,52.421 -101.854,51.532 -101.854,42.007 S248.2@-92.937,33.09 ; S248.2@-82.2,34.015 -85.523,37.338 -88.689,37.338 S248.2@-92.937,33.09
col5: S206.2 S221.2 S235.2 S249.2 S261.2 U301.18 | length 249.6
  Component Side w0.254: S261.2@-138.513,3.465 -134.866,7.112 -129.833,7.112 S261.2@-127.436,4.715 ; S235.2@-121.837,51.815 -117.573,56.08 -50.314,56.08 -50.006,56.388 U301.18@-50.006,57.141
  Bottom Layer w0.254: S261.2@-145.324,14.04 -141.965,17.399 -137.922,17.399 -136.124,15.601 S261.2@-136.124,13.715 -132.44,17.399 -127.489,17.399 S261.2@-125.055,14.965 ; S261.2@-127.436,4.715 -125.134,2.413 -120.777,2.413 -117.094,6.096 -117.094,11.049 -121.01,14.965 S261.2@-125.055,14.965 ; S221.2@-117.075,70.865 -117.075,81.553 -108.713,89.915 S206.2@-107.55,89.915 ; S221.2@-116.425,71.155 -116.425,70.865 -115.189,69.629 -115.189,58.104 -121.187,52.105 -121.187,51.815 -121.031,51.659 -121.031,42.134 S249.2@-112.156,33.259 ; S249.2@-111.662,32.765 S249.2@-111.807,32.91 ; S249.2@-111.662,33.055 S249.2@-111.807,32.91 ; S249.2@-101.25,34.015 -104.446,37.211 -108.204,37.211 S249.2@-112.156,33.259 ; S261.2@-125.055,14.965 -116.459,23.561 -116.459,29.718 -113.412,32.765 S249.2@-112.312,32.765 -112.312,33.103 S249.2@-112.156,33.259 ; S249.2@-112.156,33.259 -111.987,33.09 S249.2@-111.807,32.91
col6: CON302.1 S207.2 S222.2 S236.2 S250.2 S267.2 U301.17 | length 260.7
  Component Side w0.254: S267.2@-176.606,13.715 -174.067,11.176 -168.656,11.176 -165.543,14.289 S267.2@-165.543,14.965 ; S236.2@-140.887,51.815 -136.169,56.534 -52.178,56.534 -51.816,56.896 v1(-51.816,57.277) -51.68,57.141 U301.17@-50.806,57.141 ; S222.2@-136.653,70.865 S222.2@-136.125,70.865 S222.2@-135.475,70.865 ; CON302.1@-51.943,48.006 -50.8,48.006 v1(-50.165,48.641)
  Bottom Layer w0.254: S267.2@-160.781,4.715 -161.798,5.732 -161.798,11.22 S267.2@-165.543,14.965 -165.543,16.448 -161.417,20.574 -143.553,20.574 S250.2@-131.362,32.765 S250.2@-131.212,32.915 ; S236.2@-140.587,51.815 -140.737,51.965 -141.097,52.324 -133.477,59.944 -133.477,68.217 S222.2@-136.125,70.865 ; S236.2@-140.412,51.64 -139.905,51.64 -136.017,47.752 -136.017,37.72 S250.2@-131.212,32.915 ; S222.2@-135.128,70.518 -136.017,71.407 -136.017,81.915 -128.017,89.915 S207.2@-126.6,89.915 S207.2@-125.95,89.915 ; S250.2@-120.3,34.015 -123.115,36.83 -128.397,36.83 -131.212,34.015 S250.2@-131.212,32.915 ; v1(-51.816,57.277) -51.816,54.483 -52.705,53.594 -52.705,51.181 v1(-50.165,48.641)
col7: CON302.4 S208.2 S223.2 S237.2 S251.2 S262.2 U301.16 | length 278
  Component Side w0.254: S237.2@-159.937,51.815 -154.765,56.988 -53.883,56.988 v1(-53.213,57.658) ; v1@-54.864,49.657 -54.483,49.276 CON302.4@-53.213,49.276 ; v1@-53.151,57.596 U301.16@-52.206,58.541
  Bottom Layer w0.254: S262.2@-202.8,13.715 S262.2@-201.93,12.845 ; S262.2@-198.881,4.715 -201.93,7.764 S262.2@-201.93,12.845 ; S237.2@-159.937,51.815 S237.2@-159.937,51.165 ; S208.2@-145,89.915 S208.2@-145.65,89.915 -146.178,89.915 -155.194,80.899 -155.194,70.884 -151.765,67.455 -151.765,59.338 S237.2@-159.937,51.165 ; S251.2@-139.35,34.015 -143.012,30.353 -148,30.353 S251.2@-150.412,32.765 ; v1(-55.118,49.784) -55.372,49.784 -56.261,50.673 -56.261,52.188 -53.213,55.236 v1(-53.213,57.658) ; S262.2@-201.93,12.845 -201.277,12.192 -194.945,12.192 -186.001,21.136 -168.856,21.136 -166.37,23.622 -159.555,23.622 S251.2@-150.412,32.765 ; S237.2@-159.937,51.165 -159.937,49.828 -150.412,40.303 S251.2@-150.412,32.765
col8: CON302.3 S209.2 S224.2 S238.2 S252.2 S263.2 U301.15 | length 338
  Component Side w0.254: S238.2@-178.987,51.815 -178.987,53.431 -177.104,55.315 -172.775,55.315 -170.648,57.442 -57.366,57.442 v1(-56.261,58.547) -55.467,59.341 U301.15@-52.206,59.341 ; CON302.3@-51.943,49.276 -50.927,49.276 v1@-50.292,49.911
  Bottom Layer w0.254: S263.2@-231.42,3.511 S263.2@-231.374,3.465 -231.684,3.465 -235.204,6.985 -235.204,10.287 -234.203,11.288 -231.42,11.288 S263.2@-228.993,13.715 ; S263.2@-226.612,13.715 -217.975,22.352 -203.4,22.352 ; S263.2@-215.55,4.715 -216.408,5.573 -216.408,10.541 -211.984,14.965 S263.2@-210.787,14.965 -203.4,22.352 ; S238.2@-179.451,52.929 -178.483,51.96 -176.149,49.627 -176.149,39.888 -169.316,33.055 S252.2@-169.172,33.055 ; -179.451,53.183 -179.451,66.929 -175.515,70.865 S224.2@-174.225,70.865 -173.575,70.865 -173.575,81.187 S209.2@-164.911,89.851 ; S209.2@-164.05,89.915 S209.2@-164.34,89.915 ; S209.2@-164.05,90.205 S209.2@-164.34,89.915 ; S252.2@-158.4,34.015 -161.088,36.703 -165.524,36.703 S252.2@-169.172,33.055 ; v1(-56.261,58.547) -55.88,58.928 -51.435,58.928 -50.038,57.531 v1(-50.038,49.911) ; -203.4,22.352 -188.595,22.352 -185.631,25.316 -175.725,25.316 -173.482,27.559 -173.482,30.099 -170.816,32.765 S252.2@-169.462,32.765 S252.2@-169.172,33.055 ; S209.2@-164.911,89.851 -164.404,89.851 S209.2@-164.34,89.915 ; S209.2@-164.911,89.851 -164.847,89.915 S209.2@-164.7,89.915 S209.2@-164.34,89.915